# KiCad board panel.kicad_pcb (continued)
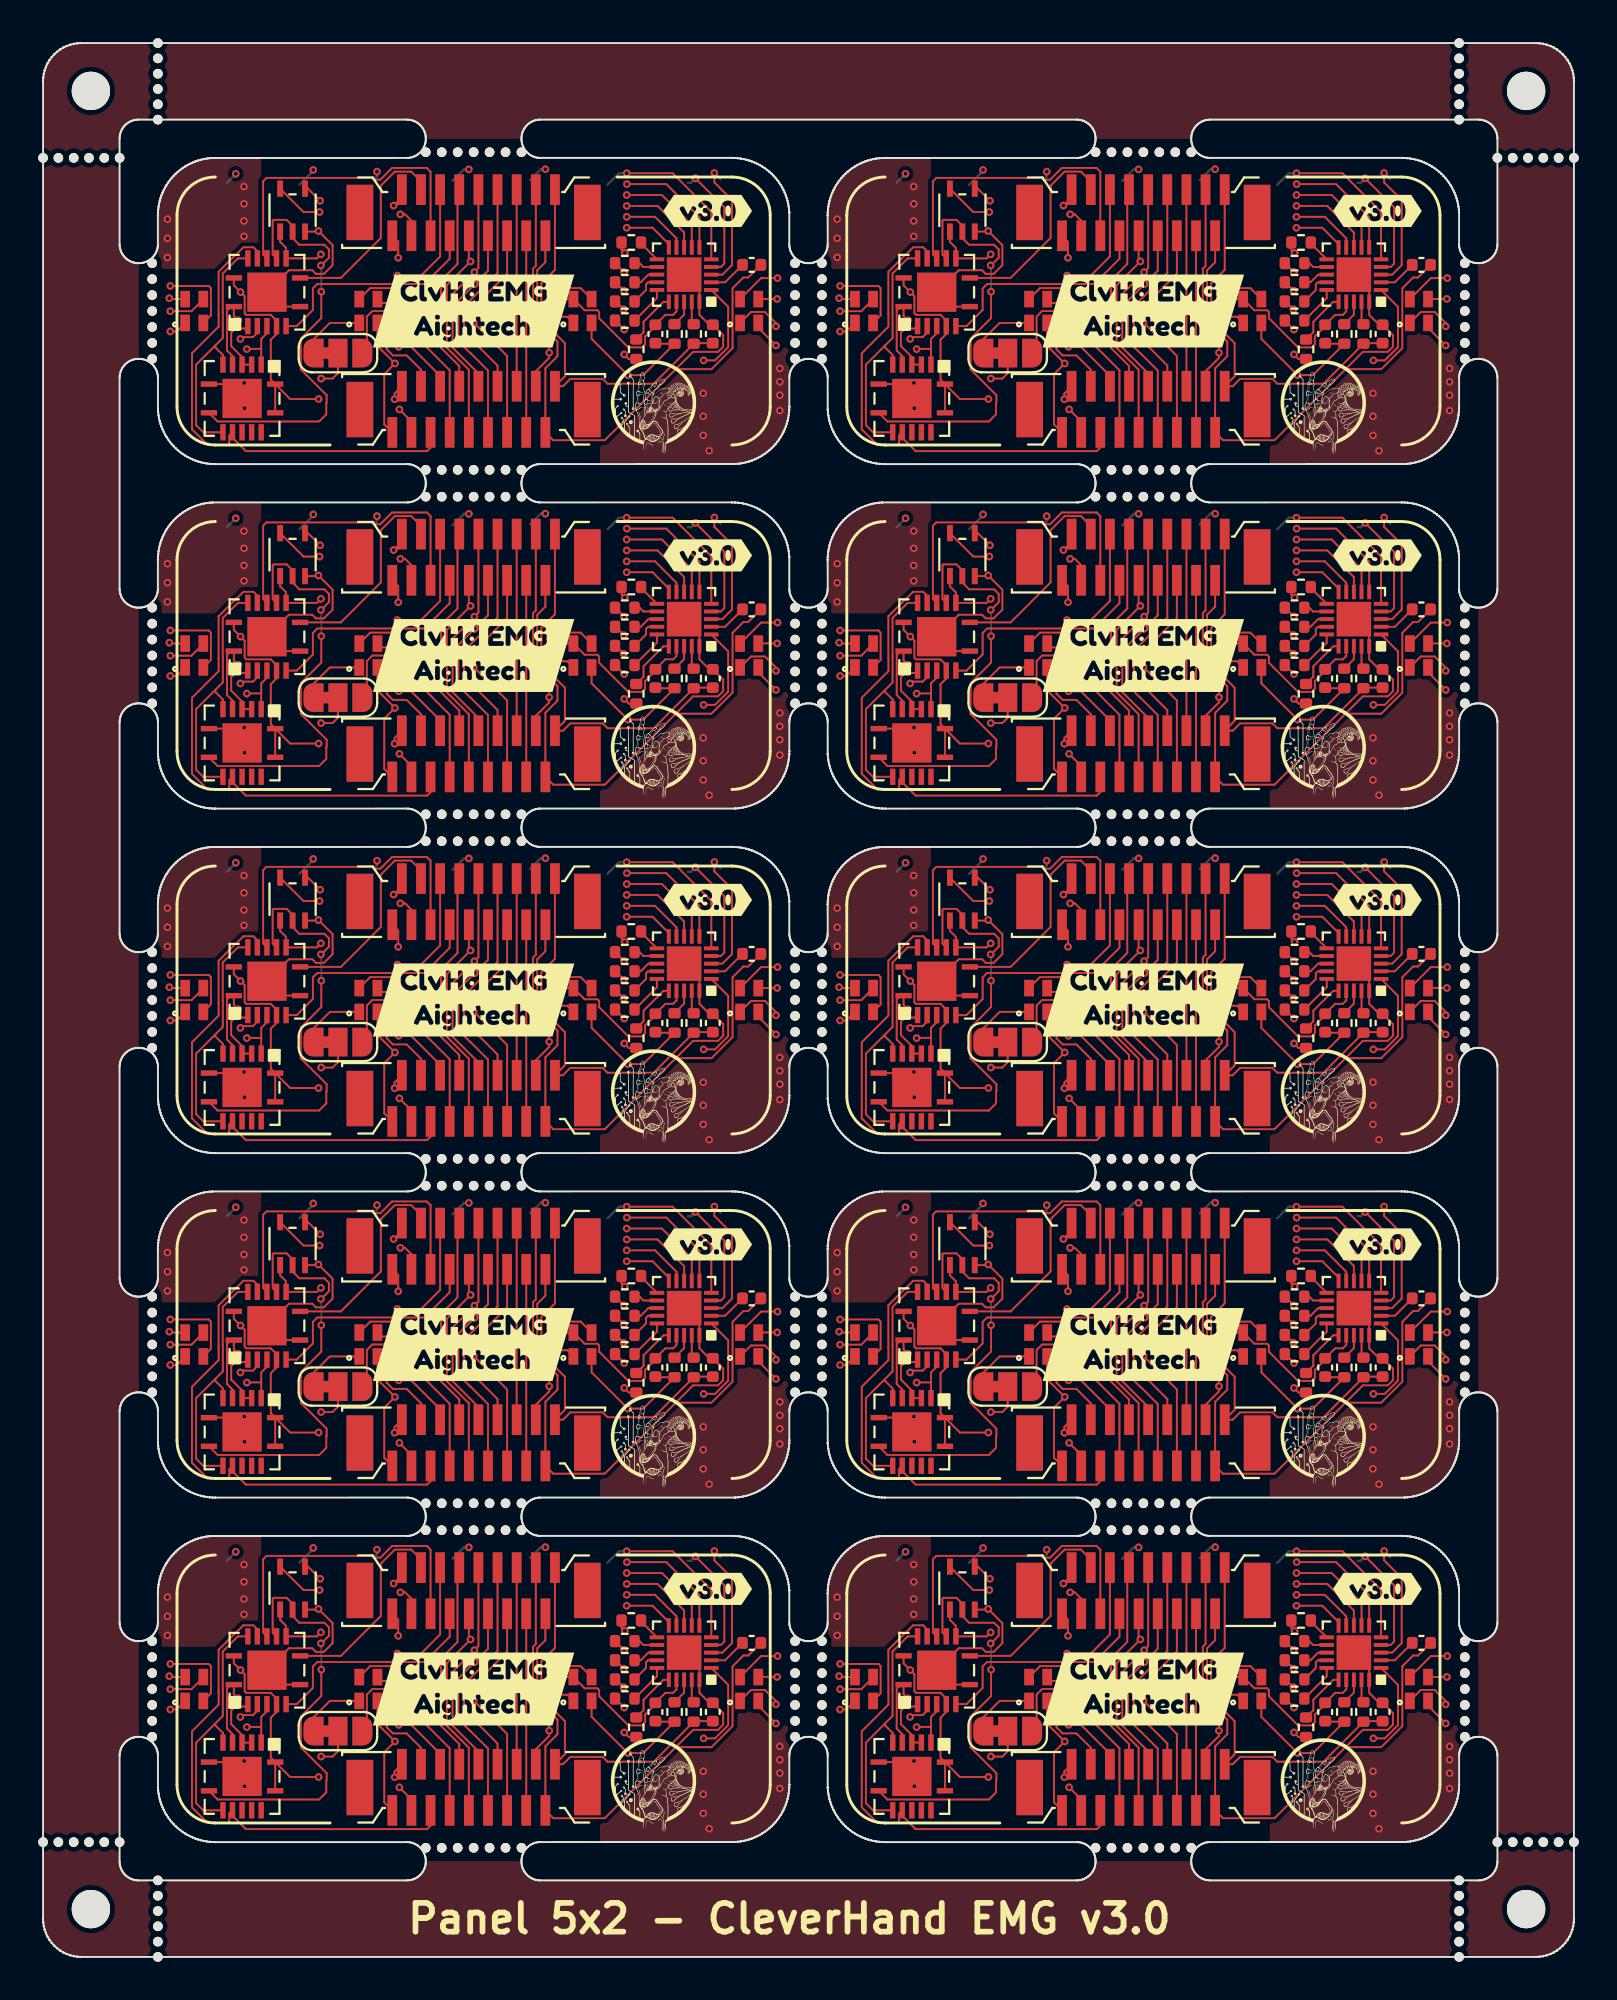
[diagram p0: board, top side]
## Placement (name value [footprint] x y rotation side) (continued)
REF**#220  -  [NPTH]  74 0.8 0 top
REF**#221  -  [NPTH]  39.3 51.67 0 top
REF**#222  -  [NPTH]  74 98.4 0 top
REF**#223  -  [NPTH]  74.3 86 0 top
REF**#224  -  [NPTH]  60 76.3 0 top
REF**#225  -  [NPTH]  23.33 77.7 0 top
REF**#226  -  [NPTH]  74.3 34.5 0 top
REF**#227  -  [NPTH]  55 22.3 0 top
REF**#228  -  [NPTH]  57.5 59.7 0 top
REF**#229  -  [NPTH]  22.5 23.7 0 top
REF**#230  -  [NPTH]  40.7 15.67 0 top
REF**#231  -  [NPTH]  60 59.7 0 top
REF**#232  -  [NPTH]  39.3 33.67 0 top
REF**#233  -  [NPTH]  57.5 5.7 0 top
REF**#234  -  [NPTH]  74.3 84.33 0 top
REF**#235  -  [NPTH]  79.2 6 0 top
REF**#236  -  [NPTH]  59.17 40.3 0 top
REF**#237  -  [NPTH]  78.4 94 0 top
REF**#238  -  [NPTH]  58.33 94.3 0 top
REF**#239  -  [NPTH]  6 96.8 0 top
REF**#240  -  [NPTH]  56.67 41.7 0 top
REF**#241  -  [NPTH]  20 22.3 0 top
REF**#242  -  [NPTH]  74.3 70.5 0 top
REF**#243  -  [NPTH]  5.7 85.17 0 top
REF**#244  -  [NPTH]  39.3 50.83 0 top
REF**#245  -  [NPTH]  40.7 13.17 0 top
REF**#246  -  [NPTH]  78.4 6 0 top
REF**#247  -  [NPTH]  39.3 14.83 0 top
REF**#248  -  [NPTH]  60 5.7 0 top
REF**#249  -  [NPTH]  57.5 23.7 0 top
REF**#250  -  [NPTH]  74 0 0 top
REF**#251  -  [NPTH]  5.7 68.83 0 top
REF**#252  -  [NPTH]  55.83 77.7 0 top
REF**#253  -  [NPTH]  25 59.7 0 top
REF**#254  -  [NPTH]  74.3 85.17 0 top
REF**#255  -  [NPTH]  21.67 23.7 0 top
REF**#256  -  [NPTH]  6 96 0 top
REF**#257  -  [NPTH]  39.3 68 0 top
REF**#258  -  [NPTH]  20 23.7 0 top
REF**#259  -  [NPTH]  76.8 6 0 top
REF**#260  -  [NPTH#2]  77.5 2.5 0 top
REF**#261  -  [NPTH]  23.33 22.3 0 top
REF**#262  -  [NPTH]  39.3 15.67 0 top
REF**#263  -  [NPTH]  22.5 41.7 0 top
REF**#264  -  [NPTH]  39.3 32.83 0 top
REF**#265  -  [NPTH]  40.7 69.67 0 top
REF**#266  -  [NPTH]  40.7 85.17 0 top
REF**#267  -  [NPTH]  39.3 88.5 0 top
REF**#268  -  [NPTH]  39.3 13.17 0 top
REF**#269  -  [NPTH]  23.33 94.3 0 top
REF**#270  -  [NPTH]  59.17 59.7 0 top
REF**#271  -  [NPTH]  58.33 58.3 0 top
REF**#272  -  [NPTH]  57.5 77.7 0 top
REF**#273  -  [NPTH]  59.17 22.3 0 top
REF**#274  -  [NPTH]  56.67 76.3 0 top
REF**#275  -  [NPTH]  57.5 58.3 0 top
REF**#276  -  [NPTH]  5.7 69.67 0 top
REF**#277  -  [NPTH]  74.3 87.67 0 top
REF**#278  -  [NPTH]  22.5 77.7 0 top
REF**#279  -  [NPTH]  74.3 68.83 0 top
REF**#280  -  [NPTH]  5.7 48.33 0 top
REF**#281  -  [NPTH]  40.7 83.5 0 top
REF**#282  -  [NPTH]  40.7 84.33 0 top
REF**#283  -  [NPTH]  55.83 40.3 0 top
REF**#284  -  [NPTH]  39.3 52.5 0 top
REF**#285  -  [NPTH]  5.7 86 0 top
REF**#286  -  [NPTH]  59.17 58.3 0 top
REF**#287  -  [NPTH]  3.2 6 0 top
REF**#288  -  [NPTH]  39.3 65.5 0 top
REF**#289  -  [NPTH]  40.7 48.33 0 top
REF**#290  -  [NPTH]  5.7 32 0 top
REF**#291  -  [NPTH]  23.33 58.3 0 top
REF**#292  -  [NPTH]  23.33 59.7 0 top
REF**#293  -  [NPTH]  20 77.7 0 top
REF**#294  -  [NPTH]  59.17 5.7 0 top
REF**#295  -  [NPTH]  21.67 94.3 0 top
REF**#296  -  [NPTH]  39.3 48.33 0 top
REF**#297  -  [NPTH]  59.17 41.7 0 top
REF**#298  -  [NPTH]  3.2 94 0 top
REF**#299  -  [NPTH]  40.7 50.83 0 top
REF**#300  -  [NPTH]  40.7 86 0 top
REF**#301  -  [NPTH]  74.3 32.83 0 top
REF**#302  -  [NPTH]  39.3 84.33 0 top
REF**#303  -  [NPTH]  24.17 77.7 0 top
REF**#304  -  [NPTH]  58.33 59.7 0 top
REF**#305  -  [NPTH#2]  2.5 2.5 0 top
REF**#306  -  [NPTH]  21.67 77.7 0 top
REF**#307  -  [NPTH]  4 6 0 top
REF**#308  -  [NPTH]  6 98.4 0 top
REF**#309  -  [NPTH]  21.67 76.3 0 top
REF**#310  -  [NPTH]  59.17 77.7 0 top
REF**#311  -  [NPTH]  74.3 49.17 0 top
REF**#312  -  [NPTH]  5.7 32.83 0 top
REF**#313  -  [NPTH]  74.3 15.67 0 top
REF**#314  -  [NPTH]  74.3 29.5 0 top
REF**#315  -  [NPTH]  5.7 47.5 0 top
REF**#316  -  [NPTH]  56.67 59.7 0 top
REF**#317  -  [NPTH]  20.83 23.7 0 top
REF**#318  -  [NPTH]  25 76.3 0 top
REF**#319  -  [NPTH]  39.3 34.5 0 top
REF**#320  -  [NPTH]  76 6 0 top
REF**#321  -  [NPTH]  5.7 14 0 top
REF**#322  -  [NPTH]  5.7 70.5 0 top
REF**#323  -  [NPTH]  0 6 0 top
REF**#324  -  [NPTH]  20.83 77.7 0 top
REF**#325  -  [NPTH]  77.6 94 0 top
REF**#326  -  [NPTH]  55 40.3 0 top
REF**#327  -  [NPTH]  58.33 40.3 0 top
REF**#328  -  [NPTH]  22.5 76.3 0 top
REF**#329  -  [NPTH]  40.7 51.67 0 top
REF**#330  -  [NPTH]  74.3 86.83 0 top
REF**#331  -  [NPTH]  5.7 86.83 0 top
REF**#332  -  [NPTH]  23.33 40.3 0 top
U1  MCP3564RT-ENC  [MCP3564RT-E&slash_NC]  33.5 87.9 180 top
U1#2  MCP3564RT-ENC  [MCP3564RT-E&slash_NC]  68.5 15.9 180 top
U1#3  MCP3564RT-ENC  [MCP3564RT-E&slash_NC]  68.5 33.9 180 top
U1#4  MCP3564RT-ENC  [MCP3564RT-E&slash_NC]  33.5 51.9 180 top
U1#5  MCP3564RT-ENC  [MCP3564RT-E&slash_NC]  33.5 15.9 180 top
U1#6  MCP3564RT-ENC  [MCP3564RT-E&slash_NC]  68.5 69.9 180 top
U1#7  MCP3564RT-ENC  [MCP3564RT-E&slash_NC]  68.5 51.9 180 top
U1#8  MCP3564RT-ENC  [MCP3564RT-E&slash_NC]  33.5 33.9 180 top
U1#9  MCP3564RT-ENC  [MCP3564RT-E&slash_NC]  33.5 69.9 180 top
U1#10  MCP3564RT-ENC  [MCP3564RT-E&slash_NC]  68.5 87.9 180 top
U2  -  [SN74LVC86ARGYR]  11.7 86.98 90 top
U2#2  -  [SN74LVC86ARGYR]  46.7 68.98 90 top
U2#3  -  [SN74LVC86ARGYR]  11.7 14.98 90 top
U2#4  -  [SN74LVC86ARGYR]  11.7 68.98 90 top
U2#5  -  [SN74LVC86ARGYR]  11.7 32.98 90 top
U2#6  -  [SN74LVC86ARGYR]  11.7 50.98 90 top
U2#7  -  [SN74LVC86ARGYR]  46.7 14.98 90 top
U2#8  -  [SN74LVC86ARGYR]  46.7 86.98 90 top
U2#9  -  [SN74LVC86ARGYR]  46.7 32.98 90 top
U2#10  -  [SN74LVC86ARGYR]  46.7 50.98 90 top
U4  -  [SN74ALVC08RGYR]  45.4 45.43 270 top
U4#2  -  [SN74ALVC08RGYR]  10.4 45.43 270 top
U4#3  -  [SN74ALVC08RGYR]  10.4 27.43 270 top
U4#4  -  [SN74ALVC08RGYR]  10.4 81.43 270 top
U4#5  -  [SN74ALVC08RGYR]  45.4 27.43 270 top
U4#6  -  [SN74ALVC08RGYR]  45.4 9.43 270 top
U4#7  -  [SN74ALVC08RGYR]  10.4 63.43 270 top
U4#8  -  [SN74ALVC08RGYR]  10.4 9.43 270 top
U4#9  -  [SN74ALVC08RGYR]  45.4 81.43 270 top
U4#10  -  [SN74ALVC08RGYR]  45.4 63.43 270 top
U5  DCK5  [SN74LVC1G132DCKR]  48.04 19.27 90 top
U5#2  DCK5  [SN74LVC1G132DCKR]  13.04 91.27 90 top
U5#3  DCK5  [SN74LVC1G132DCKR]  13.04 19.27 90 top
U5#4  DCK5  [SN74LVC1G132DCKR]  48.04 91.27 90 top
U5#5  DCK5  [SN74LVC1G132DCKR]  13.04 55.27 90 top
U5#6  DCK5  [SN74LVC1G132DCKR]  13.04 73.27 90 top
U5#7  DCK5  [SN74LVC1G132DCKR]  13.04 37.27 90 top
U5#8  DCK5  [SN74LVC1G132DCKR]  48.04 37.27 90 top
U5#9  DCK5  [SN74LVC1G132DCKR]  48.04 73.27 90 top
U5#10  DCK5  [SN74LVC1G132DCKR]  48.04 55.27 90 top

## Library data of the parts
D1 D1#2-D1#10 D2 D2#2-D2#10 D3 D3#2-D3#10 D4 D4#2-D4#10 U2 U2#2-U2#10 U4 U4#2-U4#10 U5 U5#2-U5#10 = -: Field4: *
J1 J1#2-J1#10 J2 J2#2-J2#10 U1 U1#2-U1#10 = -: Field4: *; Field5: *
JP1 JP1#2 JP1#4 JP1#8 JP1#9 = -: Field4: 1; Field5: 3
JP1#3 JP1#5-JP1#7 JP1#10 = -: Field4: 3; Field5: 1

## Footprints (pads in the part's own frame, mm; a bottom-side part is the same pattern mirrored in y, then rotated)
C_0402_1005Metric
  rrect 0.56x0.62 smd: 1(-0.48,0) 2(0.48,0)
MCP3564RT-E&slash_NC
  rect 0.757x0.204 smd: 1(-1.42,0.8) 2(-1.42,0.4) 3(-1.42,0) 4(-1.42,-0.4) 5(-1.42,-0.8) 11(1.42,-0.8) 12(1.42,-0.4) 13(1.42,0) 14(1.42,0.4) 15(1.42,0.8)
  rect 0.204x0.757 smd: 6(-0.8,-1.42) 7(-0.4,-1.42) 8(0,-1.42) 9(0.4,-1.42) 10(0.8,-1.42) 16(0.8,1.42) 17(0.4,1.42) 18(0,1.42) 19(-0.4,1.42) 20(-0.8,1.42)
  rect 1.803x1.803 smd: 21(0,0)
neopixel_1515
  rect 0.864x0.508 smd: 1(-0.623,0.475) 2(-0.623,-0.475) 3(0.623,-0.475) 4(0.623,0.475)
NPTH
  round 0.5 hole 0.5 unplated: (0,0)
NPTH#2
  round 2 hole 2 unplated: (0,0)
R_0402_1005Metric
  rrect 0.54x0.64 smd: 1(-0.51,0) 2(0.51,0)
SN74ALVC08RGYR
  rect 0.28x0.85 smd: 1(-0.75,1.731) 7(-0.75,-1.731) 8(0.75,-1.731) 14(0.75,1.731)
  rect 0.85x0.28 smd: 2(-1.769,1) 3(-1.769,0.5) 4(-1.769,0) 5(-1.769,-0.5) 6(-1.769,-1) 9(1.769,-1) 10(1.769,-0.5) 11(1.769,0) 12(1.769,0.5) 13(1.769,1)
  rect 2.05x2.05 smd: 15(0,0)
SN74LVC1G132DCKR
  rect 0.845x0.305 smd: 1(-1.121,0.65) 2(-1.121,0) 3(-1.121,-0.65) 4(1.121,-0.65) 5(1.121,0.65)
SN74LVC86ARGYR
  rect 0.28x0.85 smd: 1(-0.75,1.731) 7(-0.75,-1.731) 8(0.75,-1.731) 14(0.75,1.731)
  rect 0.85x0.28 smd: 2(-1.769,1) 3(-1.769,0.5) 4(-1.769,0) 5(-1.769,-0.5) 6(-1.769,-1) 9(1.769,-1) 10(1.769,-0.5) 11(1.769,0) 12(1.769,0.5) 13(1.769,1)
  rect 2.05x2.05 smd: 15(0,0)
SolderJumper-3_P1.3mm_Bridged12_RoundedPad1.0x1.5mm_NumberLabels
  custom 1.05x1.5 smd: 1(-1.3,0) 3(1.3,0)
  rect 1x1.5 smd: 2(0,0)
XF2J-1824-12A
  rect 0.508x1.6 smd: 1(0,0) 2(0.5,2.413) 3(1,0) 4(1.5,2.413) 5(2,0) 6(2.5,2.413) 7(3,0) 8(3.5,2.413) 9(4,0) 10(4.5,2.413) 11(5,0) 12(5.5,2.413) 13(6,0) 14(6.5,2.413) 15(7,0) 16(7.5,2.413) 17(8,0) 18(8.5,2.413)
  rect 1.397x2.896 smd: 19(-1.694,1.194) 20(10.194,1.194)

## Nets
Board_0-+3.3V: C2#8.1 D1#10.2 D2#2.2 D3#8.2 D4#4.2 J1#6.1 J2#7.18 R8#8.2 U2.5 U2.14 U4#4.1 U4#4.14 U5#2.5
Board_0-+3.3VA: C1#9.2 J1#6.18 J2#7.1 R7#4.2
Board_0-/A0: J1#6.7 U2.4 U4#4.2
Board_0-/A1: J1#6.6 U2.1 U4#4.5
Board_0-/A2: J1#6.5 U2.12 U4#4.10
Board_0-/A3: J1#6.4 U2.9 U5#2.1
Board_0-/carry0: U2.2 U4#4.3 U4#4.4
Board_0-/carry1: U2.13 U4#4.6 U4#4.9
Board_0-/carry2: U2.10 U4#4.8 U5#2.2
Board_0-/CH0: U1.3
Board_0-/CH1: U1.4
Board_0-/CH2: U1.5
Board_0-/CH3: U1.6
Board_0-/CH4: U1.7
Board_0-/CH5: U1.8
Board_0-/CH6: U1.9
Board_0-/CH7: U1.10
Board_0-/CH_REF: J1#6.16 J2#7.3 U1.1
Board_0-/cs_adc: R6#10.2 U5#2.4
Board_0-/IRQ: J1#6.13 J2#7.6 R2#7.2
Board_0-/MCLK: J1#6.12 J2#7.7 R1#10.2
Board_0-/NEO_IN: D1#10.1 J1#6.3
Board_0-/NEO_OUT: D4#4.3 J2#7.16 JP1#7.3
Board_0-/S0: J2#7.12 U2.6
Board_0-/S1: J2#7.13 U2.3
Board_0-/S2: J2#7.14 U2.11
Board_0-/S3: J2#7.15 U2.8
Board_0-/SCK: J1#6.9 J2#7.10 R5#3.2
Board_0-/SDI: J1#6.10 J2#7.9 R4#9.2
Board_0-/SDO: J1#6.11 J2#7.8 R3#4.2
Board_0-GND: C2#8.2 D1#10.4 D2#2.4 D3#8.4 D4#4.4 J1#6.2 J2#7.17 U1.17 U2.7 U2.15 U4#4.7 U4#4.15 U5#2.3
Board_0-GNDA: C1#9.1 C3#2.2 J1#6.17 J2#7.2 U1.20 U1.21
Board_0-Net-(D1-Pad3): D1#10.3 JP1#7.2
Board_0-Net-(D2-Pad1): D2#2.1 JP1#7.1
Board_0-Net-(D2-Pad3): D2#2.3 D3#8.1
Board_0-Net-(D3-Pad3): D3#8.3 D4#4.1
Board_0-Net-(J1-Pad8): J1#6.8 J2#7.11
Board_0-Net-(J1-Pad14): J1#6.14 J2#7.5
Board_0-Net-(J1-Pad15): J1#6.15 J2#7.4
Board_0-Net-(R1-Pad1): R1#10.1 U1.16
Board_0-Net-(R2-Pad1): R2#7.1 U1.15
Board_0-Net-(R3-Pad1): R3#4.1 U1.14
Board_0-Net-(R4-Pad1): R4#9.1 U1.13
Board_0-Net-(R5-Pad1): R5#3.1 U1.12
Board_0-Net-(R6-Pad1): R6#10.1 U1.11
Board_0-Net-(R7-Pad1): R7#4.1 U1.19
Board_0-Net-(R8-Pad1): R8#8.1 U1.18
Board_0-Net-(U1-Pad2): C3#2.1 U1.2
Board_0-unconnected-(J1-Pad19): J1#6.19
Board_0-unconnected-(J1-Pad20): J1#6.20
Board_0-unconnected-(J2-Pad19): J2#7.19
Board_0-unconnected-(J2-Pad20): J2#7.20
Board_0-unconnected-(U4-Pad11): U4#4.11
Board_0-unconnected-(U4-Pad12): U4#4.12
Board_0-unconnected-(U4-Pad13): U4#4.13
Board_1-+3.3V: C2.1 D1#3.2 D2#6.2 D3#7.2 D4.2 J1#5.1 J2#3.18 R8#10.2 U2#8.5 U2#8.14 U4#9.1 U4#9.14 U5#4.5
Board_1-+3.3VA: C1#4.2 J1#5.18 J2#3.1 R7.2
Board_1-/A0: J1#5.7 U2#8.4 U4#9.2
Board_1-/A1: J1#5.6 U2#8.1 U4#9.5
Board_1-/A2: J1#5.5 U2#8.12 U4#9.10
Board_1-/A3: J1#5.4 U2#8.9 U5#4.1
Board_1-/carry0: U2#8.2 U4#9.3 U4#9.4
Board_1-/carry1: U2#8.13 U4#9.6 U4#9.9
Board_1-/carry2: U2#8.10 U4#9.8 U5#4.2
Board_1-/CH0: U1#10.3
Board_1-/CH1: U1#10.4
Board_1-/CH2: U1#10.5
Board_1-/CH3: U1#10.6
Board_1-/CH4: U1#10.7
Board_1-/CH5: U1#10.8
Board_1-/CH6: U1#10.9
Board_1-/CH7: U1#10.10
Board_1-/CH_REF: J1#5.16 J2#3.3 U1#10.1
Board_1-/cs_adc: R6.2 U5#4.4
Board_1-/IRQ: J1#5.13 J2#3.6 R2.2
Board_1-/MCLK: J1#5.12 J2#3.7 R1#5.2
Board_1-/NEO_IN: D1#3.1 J1#5.3
Board_1-/NEO_OUT: D4.3 J2#3.16 JP1#10.3
Board_1-/S0: J2#3.12 U2#8.6
Board_1-/S1: J2#3.13 U2#8.3
Board_1-/S2: J2#3.14 U2#8.11
Board_1-/S3: J2#3.15 U2#8.8
Board_1-/SCK: J1#5.9 J2#3.10 R5#10.2
Board_1-/SDI: J1#5.10 J2#3.9 R4#8.2
Board_1-/SDO: J1#5.11 J2#3.8 R3#3.2
Board_1-GND: C2.2 D1#3.4 D2#6.4 D3#7.4 D4.4 J1#5.2 J2#3.17 U1#10.17 U2#8.7 U2#8.15 U4#9.7 U4#9.15 U5#4.3
Board_1-GNDA: C1#4.1 C3#4.2 J1#5.17 J2#3.2 U1#10.20 U1#10.21
Board_1-Net-(D1-Pad3): D1#3.3 JP1#10.2
Board_1-Net-(D2-Pad1): D2#6.1 JP1#10.1
Board_1-Net-(D2-Pad3): D2#6.3 D3#7.1
Board_1-Net-(D3-Pad3): D3#7.3 D4.1
Board_1-Net-(J1-Pad8): J1#5.8 J2#3.11
Board_1-Net-(J1-Pad14): J1#5.14 J2#3.5
Board_1-Net-(J1-Pad15): J1#5.15 J2#3.4
Board_1-Net-(R1-Pad1): R1#5.1 U1#10.16
Board_1-Net-(R2-Pad1): R2.1 U1#10.15
Board_1-Net-(R3-Pad1): R3#3.1 U1#10.14
Board_1-Net-(R4-Pad1): R4#8.1 U1#10.13
Board_1-Net-(R5-Pad1): R5#10.1 U1#10.12
Board_1-Net-(R6-Pad1): R6.1 U1#10.11
Board_1-Net-(R7-Pad1): R7.1 U1#10.19
Board_1-Net-(R8-Pad1): R8#10.1 U1#10.18
Board_1-Net-(U1-Pad2): C3#4.1 U1#10.2
Board_1-unconnected-(J1-Pad19): J1#5.19
Board_1-unconnected-(J1-Pad20): J1#5.20
Board_1-unconnected-(J2-Pad19): J2#3.19
Board_1-unconnected-(J2-Pad20): J2#3.20
Board_1-unconnected-(U4-Pad11): U4#9.11
Board_1-unconnected-(U4-Pad12): U4#9.12
Board_1-unconnected-(U4-Pad13): U4#9.13
Board_2-+3.3V: C2#9.1 D1#2.2 D2.2 D3#2.2 D4#8.2 J1#9.1 J2#6.18 R8#5.2 U2#4.5 U2#4.14 U4#7.1 U4#7.14 U5#6.5
Board_2-+3.3VA: C1#5.2 J1#9.18 J2#6.1 R7#2.2
Board_2-/A0: J1#9.7 U2#4.4 U4#7.2
Board_2-/A1: J1#9.6 U2#4.1 U4#7.5
Board_2-/A2: J1#9.5 U2#4.12 U4#7.10
Board_2-/A3: J1#9.4 U2#4.9 U5#6.1
Board_2-/carry0: U2#4.2 U4#7.3 U4#7.4
Board_2-/carry1: U2#4.13 U4#7.6 U4#7.9
Board_2-/carry2: U2#4.10 U4#7.8 U5#6.2
Board_2-/CH0: U1#9.3
Board_2-/CH1: U1#9.4
Board_2-/CH2: U1#9.5
Board_2-/CH3: U1#9.6
Board_2-/CH4: U1#9.7
Board_2-/CH5: U1#9.8
Board_2-/CH6: U1#9.9
Board_2-/CH7: U1#9.10
Board_2-/CH_REF: J1#9.16 J2#6.3 U1#9.1
Board_2-/cs_adc: R6#5.2 U5#6.4
Board_2-/IRQ: J1#9.13 J2#6.6 R2#5.2
Board_2-/MCLK: J1#9.12 J2#6.7 R1#9.2
Board_2-/NEO_IN: D1#2.1 J1#9.3
Board_2-/NEO_OUT: D4#8.3 J2#6.16 JP1#5.3
Board_2-/S0: J2#6.12 U2#4.6
Board_2-/S1: J2#6.13 U2#4.3
Board_2-/S2: J2#6.14 U2#4.11
Board_2-/S3: J2#6.15 U2#4.8
Board_2-/SCK: J1#9.9 J2#6.10 R5#5.2
Board_2-/SDI: J1#9.10 J2#6.9 R4#4.2
Board_2-/SDO: J1#9.11 J2#6.8 R3#6.2
Board_2-GND: C2#9.2 D1#2.4 D2.4 D3#2.4 D4#8.4 J1#9.2 J2#6.17 U1#9.17 U2#4.7 U2#4.15 U4#7.7 U4#7.15 U5#6.3
Board_2-GNDA: C1#5.1 C3#5.2 J1#9.17 J2#6.2 U1#9.20 U1#9.21
Board_2-Net-(D1-Pad3): D1#2.3 JP1#5.2
Board_2-Net-(D2-Pad1): D2.1 JP1#5.1
Board_2-Net-(D2-Pad3): D2.3 D3#2.1
Board_2-Net-(D3-Pad3): D3#2.3 D4#8.1
Board_2-Net-(J1-Pad8): J1#9.8 J2#6.11
Board_2-Net-(J1-Pad14): J1#9.14 J2#6.5
Board_2-Net-(J1-Pad15): J1#9.15 J2#6.4
Board_2-Net-(R1-Pad1): R1#9.1 U1#9.16
Board_2-Net-(R2-Pad1): R2#5.1 U1#9.15
Board_2-Net-(R3-Pad1): R3#6.1 U1#9.14
Board_2-Net-(R4-Pad1): R4#4.1 U1#9.13
Board_2-Net-(R5-Pad1): R5#5.1 U1#9.12
Board_2-Net-(R6-Pad1): R6#5.1 U1#9.11
Board_2-Net-(R7-Pad1): R7#2.1 U1#9.19
Board_2-Net-(R8-Pad1): R8#5.1 U1#9.18
Board_2-Net-(U1-Pad2): C3#5.1 U1#9.2
Board_2-unconnected-(J1-Pad19): J1#9.19
Board_2-unconnected-(J1-Pad20): J1#9.20
Board_2-unconnected-(J2-Pad19): J2#6.19
Board_2-unconnected-(J2-Pad20): J2#6.20
Board_2-unconnected-(U4-Pad11): U4#7.11
Board_2-unconnected-(U4-Pad12): U4#7.12
Board_2-unconnected-(U4-Pad13): U4#7.13
Board_3-+3.3V: C2#5.1 D1#7.2 D2#9.2 D3.2 D4#3.2 J1#3.1 J2.18 R8#4.2 U2#2.5 U2#2.14 U4#10.1 U4#10.14 U5#9.5
Board_3-+3.3VA: C1#8.2 J1#3.18 J2.1 R7#9.2
Board_3-/A0: J1#3.7 U2#2.4 U4#10.2
Board_3-/A1: J1#3.6 U2#2.1 U4#10.5
Board_3-/A2: J1#3.5 U2#2.12 U4#10.10
Board_3-/A3: J1#3.4 U2#2.9 U5#9.1
Board_3-/carry0: U2#2.2 U4#10.3 U4#10.4
Board_3-/carry1: U2#2.13 U4#10.6 U4#10.9
Board_3-/carry2: U2#2.10 U4#10.8 U5#9.2
Board_3-/CH0: U1#6.3
Board_3-/CH1: U1#6.4
Board_3-/CH2: U1#6.5
Board_3-/CH3: U1#6.6
Board_3-/CH4: U1#6.7
Board_3-/CH5: U1#6.8
Board_3-/CH6: U1#6.9
Board_3-/CH7: U1#6.10
Board_3-/CH_REF: J1#3.16 J2.3 U1#6.1
Board_3-/cs_adc: R6#7.2 U5#9.4
Board_3-/IRQ: J1#3.13 J2.6 R2#8.2
Board_3-/MCLK: J1#3.12 J2.7 R1#4.2
Board_3-/NEO_IN: D1#7.1 J1#3.3
Board_3-/NEO_OUT: D4#3.3 J2.16 JP1#4.3
Board_3-/S0: J2.12 U2#2.6
Board_3-/S1: J2.13 U2#2.3
Board_3-/S2: J2.14 U2#2.11
Board_3-/S3: J2.15 U2#2.8
Board_3-/SCK: J1#3.9 J2.10 R5.2
Board_3-/SDI: J1#3.10 J2.9 R4#6.2
Board_3-/SDO: J1#3.11 J2.8 R3#7.2
Board_3-GND: C2#5.2 D1#7.4 D2#9.4 D3.4 D4#3.4 J1#3.2 J2.17 U1#6.17 U2#2.7 U2#2.15 U4#10.7 U4#10.15 U5#9.3
Board_3-GNDA: C1#8.1 C3#6.2 J1#3.17 J2.2 U1#6.20 U1#6.21
Board_3-Net-(D1-Pad3): D1#7.3 JP1#4.2
Board_3-Net-(D2-Pad1): D2#9.1 JP1#4.1
Board_3-Net-(D2-Pad3): D2#9.3 D3.1
Board_3-Net-(D3-Pad3): D3.3 D4#3.1
Board_3-Net-(J1-Pad8): J1#3.8 J2.11
Board_3-Net-(J1-Pad14): J1#3.14 J2.5
Board_3-Net-(J1-Pad15): J1#3.15 J2.4
Board_3-Net-(R1-Pad1): R1#4.1 U1#6.16
Board_3-Net-(R2-Pad1): R2#8.1 U1#6.15
Board_3-Net-(R3-Pad1): R3#7.1 U1#6.14
Board_3-Net-(R4-Pad1): R4#6.1 U1#6.13
Board_3-Net-(R5-Pad1): R5.1 U1#6.12
Board_3-Net-(R6-Pad1): R6#7.1 U1#6.11
Board_3-Net-(R7-Pad1): R7#9.1 U1#6.19
Board_3-Net-(R8-Pad1): R8#4.1 U1#6.18
Board_3-Net-(U1-Pad2): C3#6.1 U1#6.2
Board_3-unconnected-(J1-Pad19): J1#3.19
Board_3-unconnected-(J1-Pad20): J1#3.20
Board_3-unconnected-(J2-Pad19): J2.19
Board_3-unconnected-(J2-Pad20): J2.20
Board_3-unconnected-(U4-Pad11): U4#10.11
Board_3-unconnected-(U4-Pad12): U4#10.12
Board_3-unconnected-(U4-Pad13): U4#10.13
Board_4-+3.3V: C2#2.1 D1#6.2 D2#10.2 D3#3.2 D4#6.2 J1.1 J2#4.18 R8.2 U2#6.5 U2#6.14 U4#2.1 U4#2.14 U5#5.5
Board_4-+3.3VA: C1#6.2 J1.18 J2#4.1 R7#7.2
Board_4-/A0: J1.7 U2#6.4 U4#2.2
Board_4-/A1: J1.6 U2#6.1 U4#2.5
Board_4-/A2: J1.5 U2#6.12 U4#2.10
Board_4-/A3: J1.4 U2#6.9 U5#5.1
Board_4-/carry0: U2#6.2 U4#2.3 U4#2.4
Board_4-/carry1: U2#6.13 U4#2.6 U4#2.9
Board_4-/carry2: U2#6.10 U4#2.8 U5#5.2
Board_4-/CH0: U1#4.3
Board_4-/CH1: U1#4.4
Board_4-/CH2: U1#4.5
Board_4-/CH3: U1#4.6
Board_4-/CH4: U1#4.7
Board_4-/CH5: U1#4.8
Board_4-/CH6: U1#4.9
Board_4-/CH7: U1#4.10
Board_4-/CH_REF: J1.16 J2#4.3 U1#4.1
Board_4-/cs_adc: R6#8.2 U5#5.4
Board_4-/IRQ: J1.13 J2#4.6 R2#3.2
Board_4-/MCLK: J1.12 J2#4.7 R1#8.2
Board_4-/NEO_IN: D1#6.1 J1.3
Board_4-/NEO_OUT: D4#6.3 J2#4.16 JP1.3
Board_4-/S0: J2#4.12 U2#6.6
Board_4-/S1: J2#4.13 U2#6.3
Board_4-/S2: J2#4.14 U2#6.11
Board_4-/S3: J2#4.15 U2#6.8
Board_4-/SCK: J1.9 J2#4.10 R5#7.2
Board_4-/SDI: J1.10 J2#4.9 R4#5.2
Board_4-/SDO: J1.11 J2#4.8 R3.2
Board_4-GND: C2#2.2 D1#6.4 D2#10.4 D3#3.4 D4#6.4 J1.2 J2#4.17 U1#4.17 U2#6.7 U2#6.15 U4#2.7 U4#2.15 U5#5.3
Board_4-GNDA: C1#6.1 C3#10.2 J1.17 J2#4.2 U1#4.20 U1#4.21
Board_4-Net-(D1-Pad3): D1#6.3 JP1.2
Board_4-Net-(D2-Pad1): D2#10.1 JP1.1
Board_4-Net-(D2-Pad3): D2#10.3 D3#3.1
Board_4-Net-(D3-Pad3): D3#3.3 D4#6.1
Board_4-Net-(J1-Pad8): J1.8 J2#4.11
Board_4-Net-(J1-Pad14): J1.14 J2#4.5
Board_4-Net-(J1-Pad15): J1.15 J2#4.4
Board_4-Net-(R1-Pad1): R1#8.1 U1#4.16
Board_4-Net-(R2-Pad1): R2#3.1 U1#4.15
Board_4-Net-(R3-Pad1): R3.1 U1#4.14
Board_4-Net-(R4-Pad1): R4#5.1 U1#4.13
Board_4-Net-(R5-Pad1): R5#7.1 U1#4.12
Board_4-Net-(R6-Pad1): R6#8.1 U1#4.11
Board_4-Net-(R7-Pad1): R7#7.1 U1#4.19
Board_4-Net-(R8-Pad1): R8.1 U1#4.18
Board_4-Net-(U1-Pad2): C3#10.1 U1#4.2
Board_4-unconnected-(J1-Pad19): J1.19
Board_4-unconnected-(J1-Pad20): J1.20
Board_4-unconnected-(J2-Pad19): J2#4.19
Board_4-unconnected-(J2-Pad20): J2#4.20
Board_4-unconnected-(U4-Pad11): U4#2.11
Board_4-unconnected-(U4-Pad12): U4#2.12
Board_4-unconnected-(U4-Pad13): U4#2.13
Board_5-+3.3V: C2#7.1 D1#5.2 D2#8.2 D3#10.2 D4#7.2 J1#10.1 J2#9.18 R8#6.2 U2#10.5 U2#10.14 U4.1 U4.14 U5#10.5
Board_5-+3.3VA: C1#2.2 J1#10.18 J2#9.1 R7#3.2
Board_5-/A0: J1#10.7 U2#10.4 U4.2
Board_5-/A1: J1#10.6 U2#10.1 U4.5
Board_5-/A2: J1#10.5 U2#10.12 U4.10
Board_5-/A3: J1#10.4 U2#10.9 U5#10.1
Board_5-/carry0: U2#10.2 U4.3 U4.4
Board_5-/carry1: U2#10.13 U4.6 U4.9
Board_5-/carry2: U2#10.10 U4.8 U5#10.2
Board_5-/CH0: U1#7.3
Board_5-/CH1: U1#7.4
Board_5-/CH2: U1#7.5
Board_5-/CH3: U1#7.6
Board_5-/CH4: U1#7.7
Board_5-/CH5: U1#7.8
Board_5-/CH6: U1#7.9
Board_5-/CH7: U1#7.10
Board_5-/CH_REF: J1#10.16 J2#9.3 U1#7.1
Board_5-/cs_adc: R6#9.2 U5#10.4
Board_5-/IRQ: J1#10.13 J2#9.6 R2#6.2
Board_5-/MCLK: J1#10.12 J2#9.7 R1#6.2
Board_5-/NEO_IN: D1#5.1 J1#10.3
Board_5-/NEO_OUT: D4#7.3 J2#9.16 JP1#3.3
Board_5-/S0: J2#9.12 U2#10.6
Board_5-/S1: J2#9.13 U2#10.3
Board_5-/S2: J2#9.14 U2#10.11
Board_5-/S3: J2#9.15 U2#10.8
Board_5-/SCK: J1#10.9 J2#9.10 R5#4.2
Board_5-/SDI: J1#10.10 J2#9.9 R4#10.2
Board_5-/SDO: J1#10.11 J2#9.8 R3#8.2
Board_5-GND: C2#7.2 D1#5.4 D2#8.4 D3#10.4 D4#7.4 J1#10.2 J2#9.17 U1#7.17 U2#10.7 U2#10.15 U4.7 U4.15 U5#10.3
Board_5-GNDA: C1#2.1 C3#9.2 J1#10.17 J2#9.2 U1#7.20 U1#7.21
Board_5-Net-(D1-Pad3): D1#5.3 JP1#3.2
Board_5-Net-(D2-Pad1): D2#8.1 JP1#3.1
Board_5-Net-(D2-Pad3): D2#8.3 D3#10.1
Board_5-Net-(D3-Pad3): D3#10.3 D4#7.1
Board_5-Net-(J1-Pad8): J1#10.8 J2#9.11
Board_5-Net-(J1-Pad14): J1#10.14 J2#9.5
Board_5-Net-(J1-Pad15): J1#10.15 J2#9.4
Board_5-Net-(R1-Pad1): R1#6.1 U1#7.16
Board_5-Net-(R2-Pad1): R2#6.1 U1#7.15
Board_5-Net-(R3-Pad1): R3#8.1 U1#7.14
Board_5-Net-(R4-Pad1): R4#10.1 U1#7.13
Board_5-Net-(R5-Pad1): R5#4.1 U1#7.12
Board_5-Net-(R6-Pad1): R6#9.1 U1#7.11
Board_5-Net-(R7-Pad1): R7#3.1 U1#7.19
Board_5-Net-(R8-Pad1): R8#6.1 U1#7.18
Board_5-Net-(U1-Pad2): C3#9.1 U1#7.2
Board_5-unconnected-(J1-Pad19): J1#10.19
Board_5-unconnected-(J1-Pad20): J1#10.20
Board_5-unconnected-(J2-Pad19): J2#9.19
Board_5-unconnected-(J2-Pad20): J2#9.20
Board_5-unconnected-(U4-Pad11): U4.11
Board_5-unconnected-(U4-Pad12): U4.12
Board_5-unconnected-(U4-Pad13): U4.13
Board_6-+3.3V: C2#3.1 D1.2 D2#5.2 D3#9.2 D4#5.2 J1#7.1 J2#5.18 R8#2.2 U2#5.5 U2#5.14 U4#3.1 U4#3.14 U5#7.5
Board_6-+3.3VA: C1#10.2 J1#7.18 J2#5.1 R7#6.2
Board_6-/A0: J1#7.7 U2#5.4 U4#3.2
Board_6-/A1: J1#7.6 U2#5.1 U4#3.5
Board_6-/A2: J1#7.5 U2#5.12 U4#3.10
Board_6-/A3: J1#7.4 U2#5.9 U5#7.1
Board_6-/carry0: U2#5.2 U4#3.3 U4#3.4
Board_6-/carry1: U2#5.13 U4#3.6 U4#3.9
Board_6-/carry2: U2#5.10 U4#3.8 U5#7.2
Board_6-/CH0: U1#8.3
Board_6-/CH1: U1#8.4
Board_6-/CH2: U1#8.5
Board_6-/CH3: U1#8.6
Board_6-/CH4: U1#8.7
Board_6-/CH5: U1#8.8
Board_6-/CH6: U1#8.9
Board_6-/CH7: U1#8.10
Board_6-/CH_REF: J1#7.16 J2#5.3 U1#8.1
Board_6-/cs_adc: R6#6.2 U5#7.4
Board_6-/IRQ: J1#7.13 J2#5.6 R2#9.2
Board_6-/MCLK: J1#7.12 J2#5.7 R1#2.2
Board_6-/NEO_IN: D1.1 J1#7.3
Board_6-/NEO_OUT: D4#5.3 J2#5.16 JP1#6.3
Board_6-/S0: J2#5.12 U2#5.6
Board_6-/S1: J2#5.13 U2#5.3
Board_6-/S2: J2#5.14 U2#5.11
Board_6-/S3: J2#5.15 U2#5.8
Board_6-/SCK: J1#7.9 J2#5.10 R5#6.2
Board_6-/SDI: J1#7.10 J2#5.9 R4#7.2
Board_6-/SDO: J1#7.11 J2#5.8 R3#5.2
Board_6-GND: C2#3.2 D1.4 D2#5.4 D3#9.4 D4#5.4 J1#7.2 J2#5.17 U1#8.17 U2#5.7 U2#5.15 U4#3.7 U4#3.15 U5#7.3
Board_6-GNDA: C1#10.1 C3#8.2 J1#7.17 J2#5.2 U1#8.20 U1#8.21
Board_6-Net-(D1-Pad3): D1.3 JP1#6.2
Board_6-Net-(D2-Pad1): D2#5.1 JP1#6.1
Board_6-Net-(D2-Pad3): D2#5.3 D3#9.1
Board_6-Net-(D3-Pad3): D3#9.3 D4#5.1
Board_6-Net-(J1-Pad8): J1#7.8 J2#5.11
Board_6-Net-(J1-Pad14): J1#7.14 J2#5.5
Board_6-Net-(J1-Pad15): J1#7.15 J2#5.4
Board_6-Net-(R1-Pad1): R1#2.1 U1#8.16
Board_6-Net-(R2-Pad1): R2#9.1 U1#8.15
Board_6-Net-(R3-Pad1): R3#5.1 U1#8.14
Board_6-Net-(R4-Pad1): R4#7.1 U1#8.13
Board_6-Net-(R5-Pad1): R5#6.1 U1#8.12
Board_6-Net-(R6-Pad1): R6#6.1 U1#8.11
Board_6-Net-(R7-Pad1): R7#6.1 U1#8.19
Board_6-Net-(R8-Pad1): R8#2.1 U1#8.18
Board_6-Net-(U1-Pad2): C3#8.1 U1#8.2
Board_6-unconnected-(J1-Pad19): J1#7.19
Board_6-unconnected-(J1-Pad20): J1#7.20
Board_6-unconnected-(J2-Pad19): J2#5.19
Board_6-unconnected-(J2-Pad20): J2#5.20
Board_6-unconnected-(U4-Pad11): U4#3.11
Board_6-unconnected-(U4-Pad12): U4#3.12
Board_6-unconnected-(U4-Pad13): U4#3.13
Board_7-+3.3V: C2#4.1 D1#8.2 D2#4.2 D3#4.2 D4#2.2 J1#8.1 J2#10.18 R8#9.2 U2#9.5 U2#9.14 U4#5.1 U4#5.14 U5#8.5
Board_7-+3.3VA: C1#3.2 J1#8.18 J2#10.1 R7#10.2
Board_7-/A0: J1#8.7 U2#9.4 U4#5.2
Board_7-/A1: J1#8.6 U2#9.1 U4#5.5
Board_7-/A2: J1#8.5 U2#9.12 U4#5.10
Board_7-/A3: J1#8.4 U2#9.9 U5#8.1
Board_7-/carry0: U2#9.2 U4#5.3 U4#5.4
Board_7-/carry1: U2#9.13 U4#5.6 U4#5.9
Board_7-/carry2: U2#9.10 U4#5.8 U5#8.2
Board_7-/CH0: U1#3.3
Board_7-/CH1: U1#3.4
Board_7-/CH2: U1#3.5
Board_7-/CH3: U1#3.6
Board_7-/CH4: U1#3.7
Board_7-/CH5: U1#3.8
Board_7-/CH6: U1#3.9
Board_7-/CH7: U1#3.10
Board_7-/CH_REF: J1#8.16 J2#10.3 U1#3.1
Board_7-/cs_adc: R6#4.2 U5#8.4
Board_7-/IRQ: J1#8.13 J2#10.6 R2#2.2
Board_7-/MCLK: J1#8.12 J2#10.7 R1#7.2
Board_7-/NEO_IN: D1#8.1 J1#8.3
Board_7-/NEO_OUT: D4#2.3 J2#10.16 JP1#2.3
Board_7-/S0: J2#10.12 U2#9.6
Board_7-/S1: J2#10.13 U2#9.3
Board_7-/S2: J2#10.14 U2#9.11
Board_7-/S3: J2#10.15 U2#9.8
Board_7-/SCK: J1#8.9 J2#10.10 R5#8.2
Board_7-/SDI: J1#8.10 J2#10.9 R4#2.2
Board_7-/SDO: J1#8.11 J2#10.8 R3#9.2
Board_7-GND: C2#4.2 D1#8.4 D2#4.4 D3#4.4 D4#2.4 J1#8.2 J2#10.17 U1#3.17 U2#9.7 U2#9.15 U4#5.7 U4#5.15 U5#8.3
Board_7-GNDA: C1#3.1 C3#3.2 J1#8.17 J2#10.2 U1#3.20 U1#3.21
Board_7-Net-(D1-Pad3): D1#8.3 JP1#2.2
Board_7-Net-(D2-Pad1): D2#4.1 JP1#2.1
Board_7-Net-(D2-Pad3): D2#4.3 D3#4.1
Board_7-Net-(D3-Pad3): D3#4.3 D4#2.1
Board_7-Net-(J1-Pad8): J1#8.8 J2#10.11
Board_7-Net-(J1-Pad14): J1#8.14 J2#10.5
Board_7-Net-(J1-Pad15): J1#8.15 J2#10.4
Board_7-Net-(R1-Pad1): R1#7.1 U1#3.16
Board_7-Net-(R2-Pad1): R2#2.1 U1#3.15
Board_7-Net-(R3-Pad1): R3#9.1 U1#3.14
Board_7-Net-(R4-Pad1): R4#2.1 U1#3.13
Board_7-Net-(R5-Pad1): R5#8.1 U1#3.12
Board_7-Net-(R6-Pad1): R6#4.1 U1#3.11
Board_7-Net-(R7-Pad1): R7#10.1 U1#3.19
Board_7-Net-(R8-Pad1): R8#9.1 U1#3.18
Board_7-Net-(U1-Pad2): C3#3.1 U1#3.2
Board_7-unconnected-(J1-Pad19): J1#8.19
Board_7-unconnected-(J1-Pad20): J1#8.20
Board_7-unconnected-(J2-Pad19): J2#10.19
Board_7-unconnected-(J2-Pad20): J2#10.20
Board_7-unconnected-(U4-Pad11): U4#5.11
Board_7-unconnected-(U4-Pad12): U4#5.12
Board_7-unconnected-(U4-Pad13): U4#5.13
Board_8-+3.3V: C2#10.1 D1#9.2 D2#3.2 D3#6.2 D4#9.2 J1#2.1 J2#8.18 R8#3.2 U2#3.5 U2#3.14 U4#8.1 U4#8.14 U5#3.5
Board_8-+3.3VA: C1#7.2 J1#2.18 J2#8.1 R7#5.2
Board_8-/A0: J1#2.7 U2#3.4 U4#8.2
Board_8-/A1: J1#2.6 U2#3.1 U4#8.5
Board_8-/A2: J1#2.5 U2#3.12 U4#8.10
Board_8-/A3: J1#2.4 U2#3.9 U5#3.1
Board_8-/carry0: U2#3.2 U4#8.3 U4#8.4
Board_8-/carry1: U2#3.13 U4#8.6 U4#8.9
Board_8-/carry2: U2#3.10 U4#8.8 U5#3.2
Board_8-/CH0: U1#5.3
Board_8-/CH1: U1#5.4
Board_8-/CH2: U1#5.5
Board_8-/CH3: U1#5.6
Board_8-/CH4: U1#5.7
Board_8-/CH5: U1#5.8
Board_8-/CH6: U1#5.9
Board_8-/CH7: U1#5.10
Board_8-/CH_REF: J1#2.16 J2#8.3 U1#5.1
Board_8-/cs_adc: R6#3.2 U5#3.4
Board_8-/IRQ: J1#2.13 J2#8.6 R2#4.2
Board_8-/MCLK: J1#2.12 J2#8.7 R1.2
Board_8-/NEO_IN: D1#9.1 J1#2.3
Board_8-/NEO_OUT: D4#9.3 J2#8.16 JP1#9.3
Board_8-/S0: J2#8.12 U2#3.6
Board_8-/S1: J2#8.13 U2#3.3
Board_8-/S2: J2#8.14 U2#3.11
Board_8-/S3: J2#8.15 U2#3.8
Board_8-/SCK: J1#2.9 J2#8.10 R5#2.2
Board_8-/SDI: J1#2.10 J2#8.9 R4#3.2
Board_8-/SDO: J1#2.11 J2#8.8 R3#2.2
Board_8-GND: C2#10.2 D1#9.4 D2#3.4 D3#6.4 D4#9.4 J1#2.2 J2#8.17 U1#5.17 U2#3.7 U2#3.15 U4#8.7 U4#8.15 U5#3.3
Board_8-GNDA: C1#7.1 C3#7.2 J1#2.17 J2#8.2 U1#5.20 U1#5.21
Board_8-Net-(D1-Pad3): D1#9.3 JP1#9.2
Board_8-Net-(D2-Pad1): D2#3.1 JP1#9.1
Board_8-Net-(D2-Pad3): D2#3.3 D3#6.1
Board_8-Net-(D3-Pad3): D3#6.3 D4#9.1
Board_8-Net-(J1-Pad8): J1#2.8 J2#8.11
Board_8-Net-(J1-Pad14): J1#2.14 J2#8.5
Board_8-Net-(J1-Pad15): J1#2.15 J2#8.4
Board_8-Net-(R1-Pad1): R1.1 U1#5.16
Board_8-Net-(R2-Pad1): R2#4.1 U1#5.15
Board_8-Net-(R3-Pad1): R3#2.1 U1#5.14
Board_8-Net-(R4-Pad1): R4#3.1 U1#5.13
Board_8-Net-(R5-Pad1): R5#2.1 U1#5.12
Board_8-Net-(R6-Pad1): R6#3.1 U1#5.11
Board_8-Net-(R7-Pad1): R7#5.1 U1#5.19
Board_8-Net-(R8-Pad1): R8#3.1 U1#5.18
Board_8-Net-(U1-Pad2): C3#7.1 U1#5.2
Board_8-unconnected-(J1-Pad19): J1#2.19
Board_8-unconnected-(J1-Pad20): J1#2.20
Board_8-unconnected-(J2-Pad19): J2#8.19
Board_8-unconnected-(J2-Pad20): J2#8.20
Board_8-unconnected-(U4-Pad11): U4#8.11
Board_8-unconnected-(U4-Pad12): U4#8.12
Board_8-unconnected-(U4-Pad13): U4#8.13
Board_9-+3.3V: C2#6.1 D1#4.2 D2#7.2 D3#5.2 D4#10.2 J1#4.1 J2#2.18 R8#7.2 U2#7.5 U2#7.14 U4#6.1 U4#6.14 U5.5
Board_9-+3.3VA: C1.2 J1#4.18 J2#2.1 R7#8.2
Board_9-/A0: J1#4.7 U2#7.4 U4#6.2
Board_9-/A1: J1#4.6 U2#7.1 U4#6.5
Board_9-/A2: J1#4.5 U2#7.12 U4#6.10
Board_9-/A3: J1#4.4 U2#7.9 U5.1
Board_9-/carry0: U2#7.2 U4#6.3 U4#6.4
Board_9-/carry1: U2#7.13 U4#6.6 U4#6.9
Board_9-/carry2: U2#7.10 U4#6.8 U5.2
Board_9-/CH0: U1#2.3
Board_9-/CH1: U1#2.4
Board_9-/CH2: U1#2.5
Board_9-/CH3: U1#2.6
Board_9-/CH4: U1#2.7
Board_9-/CH5: U1#2.8
Board_9-/CH6: U1#2.9
Board_9-/CH7: U1#2.10
Board_9-/CH_REF: J1#4.16 J2#2.3 U1#2.1
Board_9-/cs_adc: R6#2.2 U5.4
Board_9-/IRQ: J1#4.13 J2#2.6 R2#10.2
Board_9-/MCLK: J1#4.12 J2#2.7 R1#3.2
Board_9-/NEO_IN: D1#4.1 J1#4.3
Board_9-/NEO_OUT: D4#10.3 J2#2.16 JP1#8.3
Board_9-/S0: J2#2.12 U2#7.6
Board_9-/S1: J2#2.13 U2#7.3
Board_9-/S2: J2#2.14 U2#7.11
Board_9-/S3: J2#2.15 U2#7.8
Board_9-/SCK: J1#4.9 J2#2.10 R5#9.2
Board_9-/SDI: J1#4.10 J2#2.9 R4.2
Board_9-/SDO: J1#4.11 J2#2.8 R3#10.2
Board_9-GND: C2#6.2 D1#4.4 D2#7.4 D3#5.4 D4#10.4 J1#4.2 J2#2.17 U1#2.17 U2#7.7 U2#7.15 U4#6.7 U4#6.15 U5.3
Board_9-GNDA: C1.1 C3.2 J1#4.17 J2#2.2 U1#2.20 U1#2.21
Board_9-Net-(D1-Pad3): D1#4.3 JP1#8.2
Board_9-Net-(D2-Pad1): D2#7.1 JP1#8.1
Board_9-Net-(D2-Pad3): D2#7.3 D3#5.1
Board_9-Net-(D3-Pad3): D3#5.3 D4#10.1
Board_9-Net-(J1-Pad8): J1#4.8 J2#2.11
Board_9-Net-(J1-Pad14): J1#4.14 J2#2.5
Board_9-Net-(J1-Pad15): J1#4.15 J2#2.4
Board_9-Net-(R1-Pad1): R1#3.1 U1#2.16
Board_9-Net-(R2-Pad1): R2#10.1 U1#2.15
Board_9-Net-(R3-Pad1): R3#10.1 U1#2.14
Board_9-Net-(R4-Pad1): R4.1 U1#2.13
Board_9-Net-(R5-Pad1): R5#9.1 U1#2.12
Board_9-Net-(R6-Pad1): R6#2.1 U1#2.11
Board_9-Net-(R7-Pad1): R7#8.1 U1#2.19
Board_9-Net-(R8-Pad1): R8#7.1 U1#2.18
Board_9-Net-(U1-Pad2): C3.1 U1#2.2
Board_9-unconnected-(J1-Pad19): J1#4.19
Board_9-unconnected-(J1-Pad20): J1#4.20
Board_9-unconnected-(J2-Pad19): J2#2.19
Board_9-unconnected-(J2-Pad20): J2#2.20
Board_9-unconnected-(U4-Pad11): U4#6.11
Board_9-unconnected-(U4-Pad12): U4#6.12
Board_9-unconnected-(U4-Pad13): U4#6.13

## Via types
v1: diameter 0.4, hole 0.2, Front to Back, 800 vias

## Routing (per net, layer and track width the routed paths; a pad name or vN(x,y) marks a point on that pad's centre or on a via; arc(x,y) is an arc through that point)
Board_0-+3.3V: length 77.7
  Front w0.1: v1(14.45,91.17) 13.61,91.17 U5#2.5 ; U4#4.1 U4#4.14 ; U4#4.1 12.91,81.4 v1(14.4,81.4) ; U4#4.1 11.9,82.41 11.9,84.5 12.2,84.8 12.2,85.5 11.9,85.8 10.62,85.8 10.53,85.88 10.53,86.78 v1(10.32,86.99) 9.97,87.34 U2.14 ; D2#2.2 17.48,84.17 v1(18.39,83.26) 17.83,82.7 17.83,80.08 J1#6.1 ; J2#7.18 18.56,89.62 v1(18.56,88.78) ; v1(38.3,84.2) 37.35,85.15 37.35,85.35 ; C2#8.1 32.03,84.29 R8#8.2 31.36,82.65 v1(30.56,82.65) 28.66,84.55 28.66,85.38 ; D1#10.2 8.77,85.77 8.77,87.19 8.66,87.31 v1(6.65,87.31)
  In2.Cu w0.1: v1(14.4,81.4) 16.53,81.4 v1(18.39,83.26) 18.39,82.09 19.36,81.12 29.3,81.12 30.56,82.38 v1(30.56,82.65) 30.58,82.63 36.73,82.63 v1(38.3,84.2) ; v1(6.65,87.31) 10,87.31 v1(10.32,86.99) 10.32,87.04 v1(14.45,91.17) 16.17,91.17 v1(18.56,88.78)
Board_0-+3.3VA: length 20.7
  Front w0.1: C1#9.2 34.03,84.32 R7#4.2 31.91,82.2 29.5,82.2 29.25,82.45 27.55,82.45 27.17,82.07 J1#6.18 27.27,82.59 27.27,84.32 26.04,85.55 26.04,87.44 26.75,88.15 J2#7.1
Board_0-/A0: length 17.8
  Front w0.1: J1#6.7 21.25,82.9 19.45,84.7 v1(18.43,84.7) ; 11.4,84.02 10.66,84.02 v1(10.65,84.01) ; 11.4,84.02 11.4,84.54 11.7,84.84 U2.4 ; 11.4,84.02 U4#4.2
  In2.Cu w0.1: v1(18.43,84.7) 16.45,84.7 15.85,84.1 10.74,84.1 v1(10.65,84.01)
Board_0-/A1: length 18.5
  Front w0.1: v1(18.59,84.13) 19.24,84.13 20.75,82.62 J1#6.6 ; v1(10.2,85.51) 9.97,85.74 U2.1 9.82,86.23 9.61,86.02 9.61,83.94 9.9,83.65 U4#4.5
  In2.Cu w0.1: v1(18.59,84.13) 17.04,84.13 16.31,83.4 10.39,83.4 9.88,83.91 9.88,85.19 v1(10.2,85.51)
